# KiCad board Pro_V2.kicad_pcb (continued)
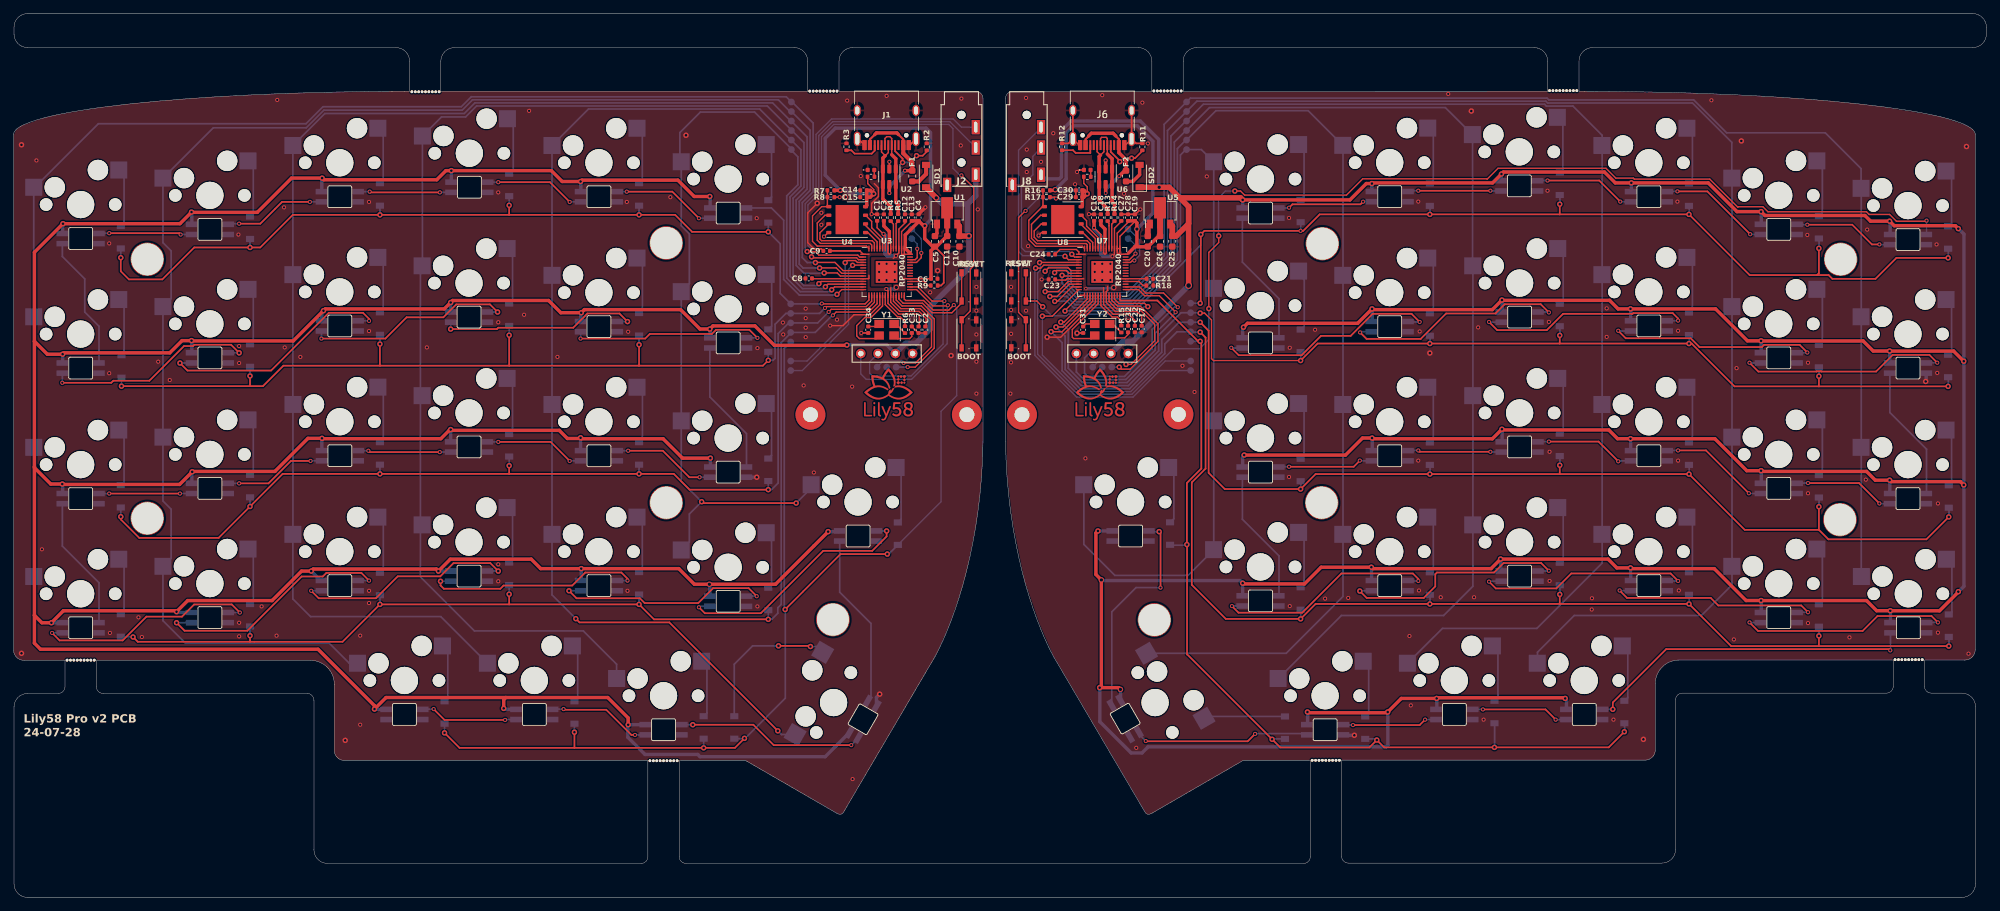
[diagram p0: board, top side]
## Routing (per net, layer and track width the routed paths; a pad name or vN(x,y) marks a point on that pad's centre or on a via; arc(x,y) is an arc through that point) (continued)
D-: length 13.7
  Top w0.2: 129.11,109.25 J1.B7 129.11,111.63 128.84,111.9 128.38,111.9 128.11,111.63 J1.A7
  Top w0.5: 129.11,109.25 129.71,108.65 U2.1 U2.6 129.71,102.25 130.06,101.9 R5.2
D-_R: length 13.7
  Top w0.2: 160.81,109.35 J6.B7 160.81,111.63 160.64,111.8 159.98,111.8 159.81,111.63 J6.A7
  Top w0.5: 160.81,109.35 161.51,108.65 U6.1 U6.6 161.51,102.35 161.86,102 R14.2
IO27: length 6.7
  Top w0.2: v1(133.46,94.79) 133.46,94.1 132.76,93.4 U3.39
  Bottom w0.2: v1(133.46,94.79) 133.46,96.9 TP33.1
IO27_R: length 7
  Top w0.2: U7.39 164.23,93.4 164.5,93.68 v1(164.78,93.68)
  Bottom w0.2: v1(164.78,93.68) 165.56,94.45 165.56,96.7 163.96,98.3
IO28: length 4.3
  Top w0.2: U3.40 132.56,93.8 132.86,94.1 v1(132.86,95.4)
  Bottom w0.2: TP34.1 132.86,96.1 v1(132.86,95.4)
IO28_R: length 4.4
  Top w0.2: U7.40 164.06,93.8 v1(164.96,94.7)
  Bottom w0.2: v1(164.96,94.7) 164.96,95.9 163.96,96.9
LED: length 27.9
  Top w0.2: v2(121.06,88.7) 121.76,89.4 U3.14
  Bottom w0.25: v2(121.06,88.7) 120.96,88.6 115.52,88.6 113.22,90.9 113.22,99.61 111.42,101.41 LED6.4
LED_R: length 175.8
  Top w0.2: v2(151.26,85.5) 152.72,85.5 U7.14 ; v2(175.73,86.6) 175.73,94.87 177.18,96.32 v2(177.18,97.3) ; v1(281.26,99.55) 281.17,99.46 276.83,99.46 275.83,100.46 272.82,100.46 272.43,100.85 257.94,100.85 257.2,101.59 253.55,101.59 253.5,101.54 249.39,105.65 238.3,105.65 238.15,105.8 235.58,105.8 234.13,107.25 218.26,107.25 216.66,105.65 216.61,105.7 198.36,105.7 195.96,103.3 181,103.3 180.4,103.9 v2(179.56,103.9)
  Bottom w0.2: v2(151.26,85.5) 151.26,79.76 156.62,74.4 164.26,74.4 170.56,80.7 174.35,80.7 175.73,82.08 v2(175.73,86.6) ; v1(281.26,99.55) 281.26,97.55 LED35.4 ; v2(177.18,97.3) 177.16,97.32 177.16,102.9 178.16,103.9 v2(179.56,103.9)
QSPI_SCLK: length 4.5
  Top w0.2: U4.6 125.26,98.84 127.36,96.74 U3.52
QSPI_SCLK_R: length 4.5
  Top w0.2: U7.52 159.06,96.89 156.96,98.99 U8.6
QSPI_SD0: length 3.3
  Top w0.2: U3.53 126.96,96.43 125.6,97.8 U4.5
QSPI_SD0_R: length 3.2
  Top w0.2: U7.53 158.66,96.33 157.2,97.8 U8.5
QSPI_SD1: length 13.5
  Top w0.2: U3.55 126.16,95.97 125.93,96.2 118.63,96.2 118.16,96.67 118.16,99.2 119.3,100.34 U4.2
QSPI_SD1_R: length 13.7
  Top w0.2: U7.55 157.86,96 157.69,96.17 150.42,96.17 149.66,96.93 149.66,99 151,100.34 U8.2
QSPI_SD2: length 11.8
  Top w0.2: U3.54 126.56,96.27 126.23,96.6 118.79,96.6 118.56,96.83 118.56,97.76 U4.3
QSPI_SD2_R: length 12.2
  Top w0.2: U8.3 151.09,99.07 150.06,98.03 150.06,97.1 150.56,96.6 157.83,96.6 158.26,96.17 U7.54
QSPI_SD3: length 5.9
  Top w0.2: U3.51 127.76,96.9 126.16,98.5 126.16,99.44 U4.7
QSPI_SD3_R: length 5.9
  Top w0.2: U8.7 157.76,99.54 157.76,98.75 159.46,97.05 U7.51
QSPI_SS: length 17.9
  Top w0.2: R7.2 R8.2 119.65,101.82 U4.1 118.82,101.61 117.46,100.25 117.46,96.5 118.16,95.8 125.4,95.8 U3.56
QSPI_SS_R: length 17.2
  Top w0.2: R16.2 R17.2 151.35,101.82 U8.1 151.27,101.61 149.26,99.6 149.26,96.77 150.25,95.78 157.12,95.78 U7.56
Reset: length 15.6
  Top w0.2: 139.38,91.88 139.38,87.43 137.95,85.99 136.84,85.99 136.84,86 135.03,86 133.63,87.4 130.79,87.4 130.16,88.03 130.16,88.1 U3.26
Reset_R: length 29.6
  Top w0.2: 148.84,87.73 150.44,87.73 150.96,87.2 150.98,87.2 v2(151.3,86.88) ; 148.84,87.73 148.84,87.63 ; 148.84,87.73 148.84,91.88 ; v2(166.76,86.9) 166.28,87.38 162.49,87.38 161.86,88 U7.26
  Bottom w0.2: v2(166.76,86.9) 166.26,86.9 165.16,85.8 155.13,85.8 154.88,85.55 152.63,85.55 v2(151.3,86.88)
ROW0: length 136.5
  Top w0.2: U3.15 125.76,87.87 125.19,87.3 118.87,87.3 v1(118.82,87.35)
  Top w0.25: v2(72.86,101.8) 72.86,100.4 ; 72.86,100.4 v2(91.96,100.4) 97.26,100.4 99.76,97.9 v2(110.96,97.9) ; 72.86,100.4 v2(53.86,100.4) 41.06,100.4 36.26,95.6 v2(34.76,95.6) 26.56,95.6 21.86,90.9 16.96,90.9 15.76,92.1 v2(15.76,94.1)
  Bottom w0.25: D6.1 v2(110.96,97.9) 112.71,96.15 112.71,88.85 TP7.1 118.77,87.3 v1(118.82,87.35) ; D1.1 v2(15.76,94.1) ; D2.1 v2(34.76,95.6) ; D4.1 v2(72.86,101.8) ; D5.1 v2(91.96,100.4) ; v2(53.86,100.4) D3.1
ROW0_R: length 170.7
  Top w0.2: v2(154.59,86.25) 154.59,86.33 156.82,88.56 U7.15
  Top w0.25: 265.16,91.54 265.43,91.82 v2(265.43,95.47) ; 265.16,91.54 266.86,91.54 267.41,90.99 273.75,90.99 276.83,94.07 v2(284.43,94.07) ; 265.16,91.54 255.26,91.54 v2(246.33,100.47) 227.33,100.47 ; 227.33,100.47 v2(227.33,101.97) ; 227.33,100.47 v2(208.23,100.47) 192.03,100.47 189.61,98.05 v1(189.23,98.05) 175.09,98.05 v2(174.55,97.51) 174.55,87.49 v2(174.46,87.4)
  Bottom w0.25: 265.46,96.92 265.46,95.47 ; v2(154.59,86.25) 154.61,86.28 164.87,86.28 174.55,95.96 v2(174.55,97.51) ; 189.26,99.32 189.26,98.05 ; TP23.1 v2(174.46,87.4) ; 227.36,103.32 227.36,101.97 ; 208.26,100.47 208.26,101.72 ; 284.46,95.42 284.46,94.07 ; 246.36,100.47 246.36,101.72
ROW1: length 139.5
  Top w0.2: U3.16 126.16,87.7 125.36,86.9 119.36,86.9 119.29,86.83 v1(119.29,86.7)
  Top w0.25: v2(91.96,81.3) 91.96,78.23 91.95,78.21 ; 91.95,78.21 72.87,78.21 ; 91.95,78.21 110.17,78.21 v2(110.96,79) ; 53.87,78.21 53.86,78.23 v2(53.86,81.4) ; 53.87,78.21 39.67,78.21 36.66,75.2 34.76,75.2 ; 53.87,78.21 72.87,78.21 ; 72.87,78.21 72.86,78.23 v2(72.86,82.7) ; 34.76,75.2 v2(15.86,75.2) ; 34.76,75.2 v2(34.76,76.7)
  Bottom w0.25: D11.1 v2(91.96,81.3) ; D10.1 v2(72.86,82.7) ; D7.1 v2(15.86,75.2) ; D12.1 v2(110.96,79) 111.66,79 111.96,79.3 111.96,84.3 113.56,85.9 TP8.1 118.49,85.9 v1(119.29,86.7) ; D9.1 v2(53.86,81.4) ; D8.1 v2(34.76,76.7)
ROW1_R: length 169.2
  Top w0.2: U7.16 157.86,88.03 154.44,84.61 v2(153.97,84.61) ; v2(189.23,78.97) 176.41,78.97 176.13,79.25 176.13,84.93 175.11,85.95 v2(174.46,85.95)
  Top w0.25: v2(265.43,76.67) 265.43,75.17 ; 265.43,75.17 253.02,75.17 246.72,81.47 v2(246.33,81.47) 227.33,81.47 ; 265.43,75.17 v2(284.43,75.17) ; 227.33,81.47 v2(227.33,82.67) ; 227.33,81.47 v2(208.23,81.47) 191.73,81.47 v2(189.23,78.97)
  Bottom w0.25: 227.36,84.02 227.36,82.67 ; 284.46,76.52 284.46,75.17 ; v2(174.46,85.95) 174.41,86 TP24.1 171.66,86 168.36,82.7 168.36,80.37 163.71,75.73 157.17,75.73 155.06,77.84 155.06,83.52 v2(153.97,84.61) ; 265.46,77.97 265.46,76.67 ; 246.36,81.47 246.36,82.72 ; 208.26,81.47 208.26,82.62 ; 189.26,78.97 189.26,80.22
ROW2: length 151.7
  Top w0.2: v1(119.84,86.12) 120.22,86.5 125.53,86.5 125.76,86.73 126.56,87.53 U3.17
  Top w0.25: v2(15.76,56) 15.76,55.59 18.47,52.89 30.15,52.89 v2(34.76,57.5) 39.56,62.3 v2(53.86,62.3) 72.86,62.3 ; v2(110.96,59.97) 99.39,59.97 97.06,62.3 v2(91.96,62.3) 72.86,62.3 ; 72.86,62.3 v2(72.86,63.5)
  Bottom w0.25: D13.1 v2(15.76,56) ; v2(34.76,57.5) D14.1 ; v2(53.86,62.3) D15.1 ; D18.1 v2(110.96,59.97) 111.43,59.97 112.41,60.95 112.41,82.93 113.98,84.5 TP9.1 118.22,84.5 v1(119.84,86.12) ; v2(91.96,62.3) D17.1 ; D16.1 v2(72.86,63.5)
ROW2_R: length 191.3
  Top w0.2: v2(153.26,83.9) 153.27,83.9 154.3,83.9 158.26,87.86 U7.17
  Top w0.25: 227.33,62.27 v2(246.33,62.27) 254.53,54.07 265.43,54.07 ; 227.33,62.27 v2(208.23,62.27) 191.43,62.27 v2(189.23,60.07) 178.08,60.07 175.71,62.44 175.71,83.35 v2(174.46,84.6) ; 227.33,62.27 v2(227.33,63.57) ; 265.43,54.07 266.83,52.67 281.23,52.67 v2(284.53,55.97) ; 265.43,54.07 v2(265.43,57.47)
  Bottom w0.25: 208.26,62.27 208.26,63.62 ; 189.26,61.22 189.26,60.07 ; v2(174.46,84.6) TP25.1 171.36,84.6 168.81,82.05 168.81,80.19 163.9,75.28 156.99,75.28 154.61,77.65 154.61,82.56 v2(153.26,83.9) ; 284.56,55.97 284.56,57.32 ; 246.36,63.62 246.36,62.27 ; 227.36,64.92 227.36,63.57 ; 265.46,58.82 265.46,57.47
ROW3: length 167.5
  Top w0.2: v1(120.46,85.61) 120.95,86.1 125.73,86.1 126.96,87.33 U3.18
  Top w0.25: 34.76,37.6 18.26,37.6 v2(17.56,38.3) ; 34.76,37.6 48.36,37.6 v2(53.86,43.1) 72.86,43.1 ; 34.76,37.6 v2(34.76,38.5) ; 72.86,43.1 v2(91.96,43.1) 94.16,40.9 v2(110.96,40.9) ; 72.86,43.1 v2(72.86,44.6)
  Bottom w0.25: D24.1 v2(110.96,40.9) 111.46,40.9 112.36,41.8 112.36,42.6 112.86,43.1 112.86,81.6 114.26,83 TP10.1 117.86,83.1 120.37,85.61 v1(120.46,85.61) ; D22.1 v2(72.86,44.6) ; D19.1 17.51,38.35 v2(17.56,38.3) ; v2(53.86,43.1) D21.1 ; D20.1 v2(34.76,38.5) ; v2(91.96,43.1) D23.1
ROW3_R: length 207.2
  Top w0.2: v2(152.54,83.21) 152.55,83.2 154.16,83.2 158.66,87.7 U7.18
  Top w0.25: 265.43,36.97 252.53,36.97 v2(246.33,43.17) 227.33,43.17 ; 265.43,36.97 v2(265.43,38.47) ; 265.43,36.97 v2(284.53,36.97) ; 227.33,43.17 v2(208.23,43.17) 191.43,43.17 v2(189.23,40.97) 178.23,40.97 173.23,45.97 173.23,61.05 175.26,63.07 175.26,82.35 v2(174.46,83.15) ; 227.33,43.17 v2(227.33,44.57)
  Bottom w0.25: 189.26,42.32 189.26,40.97 ; v2(152.54,83.21) 154.16,81.59 154.16,77.46 156.8,74.83 164.09,74.83 169.26,80 169.26,81.4 171.06,83.2 TP26.1 173.11,83.15 v2(174.46,83.15) ; 265.46,39.82 265.46,38.47 ; 227.36,45.92 227.36,44.57 ; 208.26,43.17 208.26,44.52 ; 246.36,43.17 246.36,44.52 ; 284.56,38.32 284.56,36.97
ROW4: length 183.2
  Top w0.2: v1(138.24,87.12) 137.51,86.39 137.01,86.39 137.01,86.4 135.19,86.4 133.79,87.8 131.16,87.8 130.96,88 U3.28
  Top w0.25: v2(63.36,24.2) 65.56,22 82.46,22 ; 82.46,22 v2(101.46,22) 106.06,22 v2(107.46,23.4) ; 82.46,22 v2(82.46,24.3) ; v2(128.46,50.5) 121.58,50.5 v2(113.44,42.35)
  Bottom w0.2: 129.81,51.85 D29.1 136.36,58.2 136.36,71.5 138.66,73.8 138.66,86.7 v1(138.24,87.12)
  Bottom w0.25: D27.1 v2(101.46,22) ; D25.1 v2(63.36,24.2) ; v2(128.46,50.5) 128.66,50.5 D29.1 ; D26.1 v2(82.46,24.3) ; D28.1 107.41,23.35 v2(107.46,23.4) 107.56,23.4 113.46,29.3 113.46,42.33 v2(113.44,42.35) 113.31,42.48 113.31,80.75 TP11.1
ROW4_R: length 146.2
  Top w0.2: 162.66,87.9 U7.28
  Top w0.25: 162.66,87.9 162.76,87.8 168.16,87.8 174.16,81.8 v2(174.46,81.8) 174.63,81.63 174.63,63.08 172.51,60.96 ; 172.53,35.72 172.53,51.88 v2(172.51,51.9) 172.51,60.91 ; 172.53,35.77 v2(185.04,23.26) 186.23,22.07 199.35,22.07 v2(200.43,23.15) 201.51,22.07 v2(217.73,22.07) 234.53,22.07 v2(236.83,24.37)
  Bottom w0.25: 200.46,23.15 200.29,23.32 198.76,23.32 ; TP27.1 v2(174.46,81.8) ; 186.96,23.32 185.13,23.32 185.07,23.26 ; 217.76,22.07 217.76,25.62 ; 236.86,25.62 236.86,24.37 ; 170.06,51.87 170.13,51.8 172.44,51.8 172.54,51.9
RX: length 52
  Top w0.2: U3.3 124.22,93.8 123.95,94.08 117.47,94.08 v2(117.32,94.23)
  Bottom w0.2: J2.R1 137.66,114.1 120.43,114.1 118.38,112.06 118.38,103.46 116.78,101.86 116.78,95.89 117.38,95.29 117.38,94.29 v2(117.32,94.23)
RX_R: length 29.1
  Top w0.2: v2(154.58,94.3) 155.09,93.8 U7.3
  Bottom w0.2: v2(154.58,94.3) 154.49,94.4 148.37,94.4 147.76,95.01 147.76,109.9 151.16,113.3
SCL: length 28.6
  Top w0.2: U3.30 132.96,89.8 135.05,87.71 v1(136.85,87.71)
  Bottom w0.2: J3.2 125.86,78.76 125.86,77.1 126.26,76.7 131.96,76.7 136.66,81.4 136.66,87.53 v1(136.85,87.71)
SCL_2: length 21.8
  Top w0.2: U3.5 123.38,93 v2(123.36,92.98)
  Bottom w0.2: TP12.1 115.96,77.5 122.76,84.3 122.76,92.38 v2(123.36,92.98)
SCL_2_R: length 46.5
  Top w0.2: U7.5 151.46,93 151.03,92.57 v2(150.26,92.57)
  Bottom w0.2: TP28.1 168.49,77.5 164.59,73.6 156.29,73.6 150.16,79.73 150.16,92.46 v2(150.26,92.57)
SCL_R: length 32.6
  Top w0.2: U7.30 165.56,89.8 166.46,88.9 169.07,88.9 v1(171.16,86.81)
  Bottom w0.25: v1(171.16,86.81) 170.67,86.81 167.39,83.53 167.39,80.68 163.34,76.63 157.94,76.63 157.46,77.1 157.46,79.36 158.1,80 J7.2
SDA: length 30.5
  Top w0.2: v1(137.36,87.1) 137.26,87 135.16,87 132.76,89.4 U3.29
  Bottom w0.2: v1(137.36,87.1) 137.26,87 137.26,81.43 132.03,76.2 125.36,76.2 124.56,77 J3.1
SDA_2: length 22.1
  Top w0.2: v2(122.26,93.38) 122.56,93.68 123.78,93.68 124.06,93.4 U3.4
  Bottom w0.2: v2(122.26,93.38) 122.26,84.5 116.66,78.9 TP13.1
SDA_2_R: length 46.5
  Top w0.2: U7.4 150.87,93.4 v2(150.85,93.38)
  Bottom w0.2: TP29.1 169.33,78.9 164.43,74 156.46,74 150.56,79.9 150.56,91.87 150.96,92.28 150.96,93.26 v2(150.85,93.38)
SDA_R: length 32.1
  Top w0.2: v1(170.85,86.07) 170.85,86.11 168.46,88.5 166.29,88.5 165.39,89.4 U7.29
  Bottom w0.25: v1(170.85,86.07) 170.85,85.99 167.84,82.98 167.84,80.49 163.53,76.18 157.36,76.18 156.26,77.27 J7.1
SPLIT_HAND_PIN_L: length 3.3
  Top w0.2: U3.32 133.86,90.6 134.46,90 R9.2
SPLIT_HAND_PIN_R: length 3.3
  Top w0.2: R18.2 166.06,90 165.46,90.6 U7.32
SWCLK: length 21
  Top w0.2: U3.24 129.36,87.7 130.46,86.6 133.3,86.6 134.96,84.94 134.96,80.97 132.62,78.62 v1(130.86,78.62)
  Bottom w0.2: v1(130.86,78.62) 130.58,78.9 127.86,78.9 TP16.1
SWCLK_R: length 22.5
  Top w0.2: U7.24 161.06,87.67 162.15,86.58 165.49,86.58 167.76,84.3 167.76,81.87 164.29,78.4 v2(163.56,78.4)
  Bottom w0.2: TP32.1 159.46,78.8 163.16,78.8 v2(163.56,78.4)
SWD: length 18.5
  Top w0.2: U3.25 129.76,87.87 130.63,87 133.46,87 135.36,85.1 135.36,80.8 132.56,78 v1(131.46,78)
  Bottom w0.25: v1(131.46,78) TP14.1
SWD_R: length 20.2
  Top w0.2: v2(162.56,78) 162.86,77.7 164.16,77.7 168.26,81.8 168.26,84.37 165.65,86.98 162.32,86.98 161.46,87.83 U7.25
  Bottom w0.2: v2(162.56,78) TP30.1
TX: length 51.5
  Top w0.2: U3.2 124.39,94.2 124.12,94.48 118.38,94.48 117.86,95 v2(116.69,95)
  Bottom w0.2: v2(116.69,95) 116.38,95.3 116.38,102.02 117.99,103.63 117.99,112.23 120.26,114.5 138.16,114.5 139.36,113.3 J2.R2
TX_R: length 25
  Top w0.2: U7.2 155.99,94.2 v2(155.59,94.6)
  Bottom w0.2: 151.16,110.3 149.86,109 149.86,106.3 148.18,104.62 148.18,95.58 148.76,95 155.19,95 v2(155.59,94.6)
USB_BOOT: length 66.8
  Top w0.2: v1(139.36,106.2) 141.16,104.4 141.16,92.93 140.66,92.43 140.66,86.25 139.38,84.98 139.38,80.83 ; R8.1 v1(121.46,103)
  Bottom w0.2: v1(139.36,106.2) 139.16,106.2 138.11,107.25 138.11,113.09 137.49,113.7 120.59,113.7 118.78,111.89 118.78,103.48 119.26,103 v1(121.46,103)
USB_BOOT_R: length 27.1
  Top w0.2: 148.84,80.83 148.84,84.83 ; v1(148.78,100.98) 148.74,100.98 147.76,100 147.76,86.05 148.84,84.98 ; R17.1 153.06,103 v1(153.26,102.8)
  Bottom w0.2: v1(153.26,102.8) 150.61,102.8 v1(148.78,100.98)
VDC: length 17.6
  Top w0.2: 163.35,106.89 F2.1
  Top w0.3: 162.06,112 162.06,111.97 162.51,111.52 J6.A4 ; J6.A9 157.61,111.52 158.06,111.97 158.06,112
  Top w0.5: F2.1 163.56,108.5 162.51,109.55 J6.A4 ; 162.06,112 161.66,112.4 158.46,112.4 158.06,112 ; v1(162.56,106.1) 163.35,106.89 ; v3(160.56,103.6) 160.56,104.91
  Bottom w0.5: v3(160.56,103.6) 160.56,104.1 v1(162.56,106.1)
Net-(C31-Pad2): length 1.9
  Top w0.2: Y2.2 157.63,84.35 C31.2
Net-(C32-Pad2): length 4.3
  Top w0.2: 161.49,82.98 Y2.4 161.51,82.3 163.36,82.3 163.86,82.8 C32.2 ; 160.76,82.95 161.21,82.95
Net-(C33-Pad2): length 3.4
  Top w0.2: C33.2 132.06,82.5 131.76,82.2 129.91,82.2 Y1.4
Net-(C34-Pad2): length 1.8
  Top w0.2: C34.2 126.89,83.98 Y1.2
Net-(D1-A): length 8.6
  Bottom w0.25: 15.46,106.84 16.24,106.06 16.24,99.23 D1.2
Net-(D2-A): length 8.7
  Bottom w0.25: D2.2 35.24,100.63 35.24,107.56 SW2.2
Net-(D3-A): length 8.6
  Bottom w0.25: SW3.2 54.34,112.36 54.34,105.53 D3.2
Net-(D4-A): length 8.7
  Bottom w0.25: D4.2 73.46,107.05 73.46,113.69 SW4.2
Net-(D5-A): length 9.7
  Bottom w0.25: D5.2 92.44,105.53 92.44,112.36 SW5.2 92.46,112.34
Net-(D6-A): length 9.8
  Bottom w0.25: 111.46,109.94 SW6.2 111.44,109.96 111.44,103.03 D6.2
Net-(D7-A): length 8.7
  Bottom w0.25: D7.2 16.24,80.13 16.24,87.16 SW7.2
Net-(D8-A): length 8.6
  Bottom w0.25: D8.2 35.24,81.83 35.24,88.66 SW8.2
Net-(D9-A): length 7.5
  Bottom w0.25: 54.34,93.36 54.34,86.53 D9.2
Net-(D10-A): length 7.5
  Bottom w0.25: 73.36,94.64 73.36,87.85 D10.2
Net-(D11-A): length 8.6
  Bottom w0.25: D11.2 92.46,86.45 92.46,93.24 SW11.2
Net-(D12-A): length 8.6
  Bottom w0.25: D12.2 111.46,84.05 111.46,90.84 SW12.2
Net-(D13-A): length 8.6
  Bottom w0.25: SW13.2 16.24,67.96 16.24,61.13 D13.2
Net-(D14-A): length 8.6
  Bottom w0.25: SW14.2 35.24,69.46 35.24,62.63 D14.2
Net-(D15-A): length 8.6
  Bottom w0.25: SW15.2 54.36,74.26 54.36,67.45 D15.2
Net-(D16-A): length 8.7
  Bottom w0.25: D16.2 73.36,68.65 73.36,75.54 SW16.2
Net-(D17-A): length 8.6
  Bottom w0.25: SW17.2 92.46,74.24 92.46,67.45 D17.2
Net-(D18-A): length 8.6
  Bottom w0.25: SW18.2 111.44,71.86 111.44,65.03 D18.2
Net-(D19-A): length 8.6
  Bottom w0.25: SW19.2 16.24,48.96 16.24,42.13 D19.2
Net-(D20-A): length 8.6
  Bottom w0.25: SW20.2 35.24,50.46 35.24,43.63 D20.2
Net-(D21-A): length 8
  Bottom w0.25: 54.36,48.25 54.36,55.14 SW21.2
Net-(D22-A): length 8.6
  Bottom w0.25: D22.2 73.36,49.75 73.36,56.54 SW22.2
Net-(D23-A): length 9.7
  Bottom w0.25: D23.2 92.44,48.33 92.44,55.16 SW23.2 92.46,55.14
Net-(D24-A): length 8.6
  Bottom w0.25: SW24.2 111.44,52.86 111.44,46.03 D24.2
Net-(D25-A): length 8.7
  Bottom w0.25: D25.2 63.84,29.33 63.84,36.21 SW25.2
Net-(D26-A): length 8.7
  Bottom w0.25: D26.2 82.94,29.33 82.94,36.21 SW26.2
Net-(D27-A): length 8.6
  Bottom w0.25: D27.2 101.94,27.13 101.94,33.96 SW27.2
Net-(D28-A): length 22.2
  Top w0.25: v2(117.16,36.9) 117.06,37 v2(112.46,37)
  Bottom w0.25: D28.2 105.96,34.3 108.66,37 v2(112.46,37) ; SW28.2 118.11,36.9 v2(117.16,36.9)
Net-(D29-A): length 8.6
  Bottom w0.25: SW29.2 130.49,62.51 130.49,55.63 D29.2
Net-(D30-A): length 8.6
  Bottom w0.25: 189.26,102.62 189.74,103.1 189.74,109.96 188.96,110.74
Net-(D31-A): length 8.7
  Bottom w0.25: 207.96,113.16 208.74,112.38 208.74,105.5 208.26,105.02
Net-(D32-A): length 8.6
  Bottom w0.25: 227.01,114.74 227.79,113.96 227.79,107.05 227.36,106.62
Net-(D33-A): length 8.6
  Bottom w0.25: 246.36,105.02 246.84,105.5 246.84,112.36 246.06,113.14
Net-(D34-A): length 8.6
  Bottom w0.25: 265.46,100.22 265.94,100.7 265.94,107.56 265.16,108.34
Net-(D35-A): length 8.6
  Bottom w0.25: 284.46,98.72 284.94,99.2 284.94,106.06 284.16,106.84
Net-(D36-A): length 8.7
  Bottom w0.25: 189.26,83.52 189.76,84.02 189.76,90.84 188.96,91.64
Net-(D37-A): length 8.6
  Bottom w0.25: 208.26,85.92 208.74,86.4 208.74,93.26 207.96,94.04
Net-(D38-A): length 8.6
  Bottom w0.25: 227.06,95.44 227.84,94.66 227.84,87.8 227.36,87.32
Net-(D39-A): length 8.6
  Bottom w0.25: 246.36,86.02 246.84,86.5 246.84,93.36 246.06,94.14
Net-(D40-A): length 8.7
  Bottom w0.25: 265.16,89.44 265.94,88.66 265.94,81.75 265.46,81.27
Net-(D41-A): length 8.6
  Bottom w0.25: 284.46,79.82 284.94,80.3 284.94,87.16 284.16,87.94
Net-(D42-A): length 8.6
  Bottom w0.25: 189.26,64.52 189.74,65 189.74,71.86 188.96,72.64
Net-(D43-A): length 8.6
  Bottom w0.25: 207.96,75.04 208.74,74.26 208.74,67.4 208.26,66.92
Net-(D44-A): length 8.6
  Bottom w0.25: 227.36,68.22 227.84,68.7 227.84,75.56 227.06,76.34
Net-(D45-A): length 8.6
  Bottom w0.25: 246.36,66.92 246.84,67.4 246.84,74.26 246.06,75.04
Net-(D46-A): length 8.6
  Bottom w0.25: 265.46,62.12 265.94,62.6 265.94,69.46 265.16,70.24
Net-(D47-A): length 8.6
  Bottom w0.25: 284.16,68.74 284.94,67.96 284.94,61 284.56,60.62
Net-(D48-A): length 8.6
  Bottom w0.25: 188.96,53.69 189.74,52.91 189.74,46.1 189.26,45.62
Net-(D49-A): length 8.6
  Bottom w0.25: 208.26,47.82 208.74,48.3 208.74,55.16 207.96,55.94
Net-(D50-A): length 8.6
  Bottom w0.25: 227.36,49.22 227.84,49.7 227.84,56.56 227.06,57.34
Net-(D51-A): length 8.6
  Bottom w0.25: 246.36,47.82 246.84,48.3 246.84,55.16 246.06,55.94
Net-(D52-A): length 8.6
  Bottom w0.25: 265.16,51.24 265.94,50.46 265.94,43.6 265.46,43.12
Net-(D53-A): length 8.6
  Bottom w0.25: 284.56,41.62 284.99,42.05 284.99,48.96 284.21,49.74
Net-(D54-A): length 8.5
  Bottom w0.25: 170.06,55.17 170.59,55.7 170.59,62.46 169.86,63.19
Net-(D55-A): length 12
  Bottom w0.25: 175.06,26.35 175.33,26.62 186.96,26.62
Net-(D56-A): length 8.6
  Bottom w0.25: 198.76,26.62 199.24,27.1 199.24,33.96 198.46,34.74
Net-(D57-A): length 8.6
  Bottom w0.25: 217.46,36.99 218.24,36.21 218.24,29.4 217.76,28.92
Net-(D58-A): length 8.6
  Bottom w0.25: 236.86,28.92 237.34,29.4 237.34,36.21 236.56,36.99
Net-(J1-CC1): length 7.4
  Top w0.25: J1.A5 129.61,109.77 130.71,108.67 v2(130.71,108.1) ; v2(132.76,109.1) 133.66,109.1 134.26,109.7 R2.1
  Bottom w0.25: v2(130.71,108.1) 131.76,108.1 v2(132.76,109.1)
Net-(J1-CC2): length 5.3
  Top w0.25: J1.B5 126.61,109.85 126.16,109.4 123.66,109.4 123.17,109.89 R3.1
Net-(J6-CC1): length 7
  Top w0.25: J6.A5 161.31,109.66 162.63,108.34 v2(162.63,108.22) ; v2(164.38,108.73) 164.89,108.73 165.96,109.8 R11.1
  Bottom w0.25: v2(164.38,108.73) 163.14,108.73 v2(162.63,108.22)
Net-(J6-CC2): length 5.5
  Top w0.25: J6.B5 158.31,109.5 156.16,109.5 155.76,109.9 154.17,109.9 R12.1
Net-(LED1-DIN): length 13.7
  Top w0.25: v1(24.56,97.5) 24.36,97.7 v1(14.06,97.7)
  Bottom w0.25: v1(24.56,97.5) 24.57,97.51 LED2.2 ; v1(14.06,97.7) 12.59,97.7 12.56,97.66
Net-(LED1-DOUT): length 19.8
  Bottom w0.25: 12.56,78.61 12.56,84.01 10.46,86.1 10.46,90.98 7.17,94.27 LED1.2
Net-(LED2-DIN): length 15.1
  Top w0.25: v1(43.56,102.3) 39.47,102.3 36.27,99.1 v1(33.16,99.1)
  Bottom w0.25: v1(43.56,102.3) 43.57,102.31 LED3.2 ; v1(33.16,99.1) 31.64,99.1 31.56,99.01
Net-(LED3-DIN): length 13.8
  Top w0.25: v1(52.35,103.81) 52.46,103.7 v1(62.66,103.7)
  Bottom w0.25: 50.61,103.81 v1(52.35,103.81) ; v1(62.66,103.7) 62.67,103.71 LED4.2
Net-(LED4-DIN): length 14.9
  Top w0.25: v1(81.76,102.3) 78.86,105.2 v1(71.26,105.2)
  Bottom w0.25: LED5.2 81.77,102.31 v1(81.76,102.3) ; LED4.4 69.72,105.2 v1(71.26,105.2)
Net-(LED5-DIN): length 15.2
  Top w0.25: v1(100.76,99.9) 96.85,103.81 v1(90.15,103.81)
  Bottom w0.25: LED6.2 100.77,99.91 v1(100.76,99.9) ; v1(90.15,103.81) LED5.4
Net-(LED7-DOUT): length 31.9
  Top w0.25: v1(7.16,75.7) 14.36,75.7 14.66,76 19.96,76 25.06,81.1 26.39,81.1 26.57,81.29 31.97,81.29 v2(33.16,80.1)
  Bottom w0.25: 31.51,80.11 33.15,80.11 v2(33.16,80.1) ; v1(7.16,75.7) 7.17,75.71 LED7.2
Net-(LED8-DOUT): length 35.8
  Top w0.25: v1(52.26,84.8) 52.26,85.1 51.38,85.98 46.34,85.98 37.86,77.5 25.56,77.5 v2(24.46,78.6)
  Bottom w0.25: 26.21,78.61 24.47,78.61 v2(24.46,78.6) ; v1(52.26,84.8) 52.25,84.81 LED9.4
Net-(LED10-DIN): length 31.1
  Top w0.25: v1(45.26,82.2) 54.66,82.2 57.78,85.33 63.19,85.33 65.09,87.23 70.03,87.23 v2(71.16,86.1)
  Bottom w0.25: v1(45.26,82.2) 45.27,82.21 LED9.2 ; v2(71.16,86.1) 69.62,86.1
Net-(LED10-DOUT): length 30
  Top w0.25: v2(64.26,83.6) 71.06,83.6 71.26,83.8 82.29,83.8 84.37,85.88 89.08,85.88 v2(90.26,84.7)
  Bottom w0.25: v2(90.26,84.7) 88.77,84.7 ; v2(64.26,83.6) 64.26,84.56 64.31,84.61
Net-(LED11-DOUT): length 29.6
  Top w0.25: v1(83.36,82.2) 92.86,82.2 93.53,82.88 102.66,82.88 103.27,83.48 108.18,83.48 v1(109.36,82.3)
  Bottom w0.25: LED11.2 83.37,82.21 v1(83.36,82.2) ; v1(109.36,82.3) 109.35,82.31 LED12.4
Net-(LED12-DOUT): length 19.7
  Bottom w0.25: LED18.4 107.75,68.22 102.37,73.61 LED12.2
Net-(LED13-DIN): length 13.6
  Top w0.25: v1(24.46,59.4) v1(14.06,59.4)
  Bottom w0.25: v1(24.46,59.4) 24.47,59.41 LED14.2 ; v1(14.06,59.4) 12.56,59.4 12.56,59.41
Net-(LED13-DOUT): length 19.7
  Bottom w0.25: LED13.2 7.17,51.67 12.56,46.28 12.56,40.41
Net-(LED14-DIN): length 15.1
  Top w0.25: v1(33.16,60.9) 37.47,60.9 40.77,64.2 v1(43.66,64.2)
  Bottom w0.25: 31.56,60.91 31.56,60.9 v1(33.16,60.9) ; LED15.2 43.68,64.22 v1(43.66,64.2)
Net-(LED15-DIN): length 13.7
  Top w0.25: v1(52.16,65.7) 52.36,65.5 v1(62.66,65.5)
  Bottom w0.25: v1(62.66,65.5) 62.67,65.51 LED16.2 ; v1(52.16,65.7) 50.69,65.7 LED15.4
Net-(LED16-DIN): length 14.9
  Top w0.25: v1(81.76,64.2) 78.96,67 v1(71.26,67)
  Bottom w0.25: LED17.2 81.77,64.21 v1(81.76,64.2) ; LED16.4 69.66,67 v1(71.26,67)
Net-(LED17-DIN): length 15.2
  Top w0.25: v1(100.86,61.8) 99.36,61.8 95.46,65.7 v1(90.36,65.7)
  Bottom w0.25: LED18.2 100.87,61.81 v1(100.86,61.8) ; LED17.4 88.77,65.7 v1(90.36,65.7)
Net-(LED19-DOUT): length 34
  Top w0.25: v1(5.66,38.9) 6.76,37.8 16.03,37.8 19.53,41.3 24.76,41.3 26.55,43.09 32.07,43.09 v1(33.26,41.9)
  Bottom w0.25: 31.56,41.91 31.56,41.9 v1(33.26,41.9) ; v1(5.66,38.9) 5.67,38.91 LED19.2
Net-(LED20-DOUT): length 36.6
  Top w0.25: v2(23.96,40.4) 25.14,39.23 34.37,39.23 42.35,47.2 45.46,47.2 45.98,47.73 51.14,47.73 v1(52.26,46.6)
  Bottom w0.25: v1(52.26,46.6) 52.25,46.61 LED21.4 ; 26.21,40.41 23.97,40.41 v2(23.96,40.4)
Net-(LED21-DOUT): length 33.8
  Top w0.25: v2(71.26,48) 70.09,49.18 64.69,49.18 62.74,47.23 56.48,47.23 53.26,44 44.86,44 v1(43.76,45.1)
  Bottom w0.25: v1(43.76,45.1) 43.77,45.11 LED21.2 ; v2(71.26,48) 71.25,48.01 69.61,48.01
Net-(LED22-DOUT): length 33
  Top w0.25: v1(90.26,46.6) 90.26,46.88 89.36,47.78 84.04,47.78 82.13,45.88 72.03,45.88 71.56,45.4 63.26,45.4 62.77,45.89 v2(62.77,46.5)
  Bottom w0.25: v1(90.26,46.6) 88.77,46.6 LED23.4 ; 64.3,46.5 62.77,46.5 v2(62.77,46.5)
Net-(LED23-DOUT): length 33
  Top w0.25: v2(81.66,45.1) 82.76,44 92.09,44 92.79,43.3 100.66,43.3 102.84,45.48 108.08,45.48 v1(109.26,44.3)
  Bottom w0.25: LED24.4 109.25,44.31 v1(109.26,44.3) ; 83.41,45.11 81.67,45.11
Net-(LED24-DOUT): length 36.6
  Top w0.25: v2(128.36,53.9) 128.36,53.1 126.24,50.98 119.03,50.98 109.86,41.8 101.64,41.8 v1(100.76,42.68)
  Bottom w0.25: LED24.2 100.89,42.81 v1(100.76,42.68) ; LED29.4 126.87,53.9 v2(128.36,53.9)
Net-(LED25-DIN): length 14.4
  Top w0.25: v1(61.76,27.7) 63.36,26.1 v1(72.26,26.1)
  Bottom w0.25: v1(72.26,26.1) 72.32,26.16 LED26.2 ; v1(61.76,27.7) 60.2,27.7 LED25.4
Net-(LED26-DIN): length 15.2
  Top w0.25: v1(80.86,27.7) 80.96,27.6 87.13,27.6 90.83,23.9 v1(91.36,23.9)
  Bottom w0.25: LED26.4 79.3,27.7 v1(80.86,27.7) ; v1(91.36,23.9) 91.37,23.91 LED27.2
Net-(LED27-DIN): length 27.7
  Top w0.25: v1(123.16,22.4) 111.76,22.4 108.76,25.4 v2(99.86,25.4)
  Bottom w0.25: LED28.2 124.2,23.44 v1(123.16,22.4) ; v2(99.86,25.4) 98.22,25.4
Net-(LED28-DIN): length 25.6
  Bottom w0.25: LED29.2 121.46,52.4 121.46,44.9 126.06,40.3 126.06,29.38 LED28.4
Net-(LED30-DIN): length 14
  Top w0.25: v1(198.41,102.33) 198.03,101.95 188.03,101.95 v1(187.53,101.45)
  Bottom w0.25: 186.05,101.41 187.52,101.41 187.56,101.45 ; 198.44,102.33 199.67,102.33
Net-(LED30-DOUT): length 19.8
  Bottom w0.25: 186.05,82.31 186.05,88.05 180.67,93.44 180.67,99.91
Net-(LED31-DIN): length 13.7
  Top w0.25: v1(217.13,103.95) v1(206.53,103.95)
  Bottom w0.25: 218.72,103.91 217.2,103.91 217.16,103.95 ; 206.56,103.95 205.17,103.95 205.05,103.83
Net-(LED32-DIN): length 15
  Top w0.25: v1(225.53,105.45) 233.13,105.45 v1(236.23,102.35)
  Bottom w0.25: 225.56,105.45 224.14,105.45 224.1,105.41 ; 237.77,102.31 236.3,102.31 236.26,102.35
Net-(LED33-DIN): length 16.4
  Top w0.25: v1(255.33,97.55) 249.03,103.85 v1(244.63,103.85)
  Bottom w0.25: 255.36,97.55 255.4,97.51 256.87,97.51 ; 244.66,103.85 243.19,103.85 243.15,103.81
Net-(LED34-DIN): length 14.9
  Top w0.25: v1(263.73,98.95) 270.33,98.95 273.23,96.05 v1(274.33,96.05)
  Bottom w0.25: 275.87,96.01 274.4,96.01 274.36,96.05 ; 263.76,98.95 262.32,98.95 262.25,99.01
Net-(LED36-DOUT): length 34.5
  Top w0.25: v1(206.73,84.65) 205.54,85.84 199.83,85.84 196.59,82.6 192.23,82.6 189.37,79.75 180.13,79.75 v1(179.03,80.85)
  Bottom w0.25: 205.05,84.71 205.12,84.65 206.76,84.65 ; 180.67,80.81 179.1,80.81 179.06,80.85
Net-(LED37-DOUT): length 34.1
  Top w0.25: v1(197.97,83.1) 198.93,82.15 206.88,82.15 210.62,85.89 217.87,85.89 219.24,87.25 224.53,87.25 v1(225.73,86.05)
  Bottom w0.25: 225.76,86.05 225.7,86.11 224.15,86.11 ; 199.67,83.21 198.11,83.21 198,83.1
Net-(LED38-DOUT): length 33.4
  Top w0.25: v1(216.93,84.65) 218.13,83.45 225.43,83.45 227.83,85.84 238.03,85.84 238.14,85.95 243.93,85.95 244.73,85.15 v1(244.73,84.85)
  Bottom w0.25: 244.76,84.85 244.72,84.81 243.15,84.81 ; 218.77,84.61 217,84.61 216.96,84.65
Net-(LED39-DOUT): length 32.7
  Top w0.25: v1(263.73,80.15) 262.61,81.27 257.36,81.27 257.04,80.95 247.88,80.95 246.58,82.25 237.03,82.25 v1(235.93,83.35)
  Bottom w0.25: 263.76,80.15 263.72,80.11 262.25,80.11 ; 237.77,83.31 236,83.31 235.96,83.35
Net-(LED40-DOUT): length 32.9
  Top w0.25: v1(255.23,78.65) 256.53,77.35 265.09,77.35 265.13,77.39 265.73,77.39 265.78,77.35 273.84,77.35 276.27,79.79 281.69,79.79 v1(282.83,78.65)
  Bottom w0.25: 282.86,78.65 281.29,78.65 281.25,78.61 ; 255.26,78.65 255.3,78.61 256.87,78.61
Net-(LED41-DOUT): length 19.9
  Bottom w0.25: 281.25,59.41 281.25,65.93 275.87,71.32 275.87,77.11
Net-(LED42-DIN): length 14
  Top w0.25: v1(197.93,64.25) 197.03,63.35 v1(187.53,63.35)
  Bottom w0.25: 197.96,64.25 198,64.21 199.67,64.21 ; 186.05,63.31 186.09,63.35 187.56,63.35
Net-(LED42-DOUT): length 19.7
  Bottom w0.25: 186.05,44.36 186.05,50.23 180.67,55.62 180.67,61.81
Net-(LED43-DIN): length 13.8
  Top w0.25: v1(206.53,65.75) 206.73,65.55 v1(217.13,65.55)
  Bottom w0.25: 205.05,65.71 205.09,65.75 206.56,65.75 ; 217.16,65.55 217.2,65.51 218.77,65.51
Net-(LED44-DIN): length 14.9
  Top w0.25: v1(225.73,67.05) 233.03,67.05 v1(235.93,64.15)
  Bottom w0.25: 225.76,67.05 224.19,67.05 224.15,67.01 ; 235.96,64.15 236.02,64.21 237.77,64.21
Net-(LED45-DIN): length 16.4
  Top w0.25: v1(244.73,65.75) 248.83,65.75 v1(255.13,59.45)
  Bottom w0.25: 255.16,59.45 255.2,59.41 256.87,59.41 ; 243.15,65.71 243.19,65.75 244.76,65.75
Net-(LED46-DIN): length 14.9
  Top w0.25: v1(263.83,60.95) 271.33,60.95 v1(274.33,57.95)
  Bottom w0.25: 275.87,57.91 274.4,57.91 274.36,57.95 ; 263.86,60.95 262.29,60.95 262.25,60.91
Net-(LED48-DOUT): length 33.9
  Top w0.25: v1(179.13,42.85) 180.1,41.88 189.47,41.88 195.23,47.65 205.73,47.65 206.53,46.85 v1(206.53,46.55)
  Bottom w0.25: 179.16,42.85 179.17,42.86 180.67,42.86 ; 205.05,46.61 205.12,46.55 206.56,46.55
Net-(LED49-DOUT): length 35.3
  Top w0.25: v2(197.93,45.07) 198.95,44.05 207.33,44.05 209.03,45.75 209.03,47.55 209.27,47.79 217.67,47.79 219.07,49.18 224.59,49.18 v1(225.73,48.05)
  Bottom w0.25: 199.71,45.11 198,45.11 197.96,45.07 ; 224.15,48.01 225.72,48.01 225.76,48.05
Net-(LED50-DOUT): length 33
  Top w0.25: v1(244.73,46.55) 243.63,47.65 229.03,47.65 226.83,45.45 217.93,45.45 v1(216.93,46.45)
  Bottom w0.25: 244.76,46.55 243.22,46.55 243.15,46.61 ; 218.77,46.51 217.02,46.51 216.96,46.45
Net-(LED51-DOUT): length 32.3
  Top w0.25: v1(263.83,41.95) 262.84,42.94 250.64,42.94 249.53,44.05 237.23,44.05 v1(236.13,45.15)
  Bottom w0.25: 237.77,45.11 236.2,45.11 236.16,45.15 ; 262.25,41.91 262.29,41.95 263.86,41.95
Net-(LED52-DOUT): length 32.8
  Top w0.25: v1(255.23,40.45) 256.49,39.19 271.85,39.19 274.05,41.39 281.99,41.39 v1(282.93,40.45)
  Bottom w0.25: 282.96,40.45 281.34,40.45 281.3,40.41 ; 256.87,40.41 255.3,40.41 255.26,40.45
Net-(LED53-DOUT): length 49.3
  Top w0.25: v2(235.13,27.67) 235.13,28.67 242.98,36.52 275.76,36.52 v1(275.93,36.34)
  Bottom w0.25: 235.16,27.67 233.62,27.67 ; 275.96,36.34 275.96,38.87 275.92,38.91
Net-(LED54-DIN): length 32.3
  Top w0.25: v2(168.43,53.8) 168.63,53.6 v1(168.63,45.57)
  Bottom w0.25: 168.46,53.8 167.02,53.8 166.95,53.86 ; 168.66,45.57 165.03,45.57 161.47,42.01 161.47,28.21
Net-(LED55-DIN): length 26
  Top w0.25: 166.52,22.96 181.44,22.96 v1(182.53,24.05) ; 166.55,22.91 v1(166.46,23)
  Bottom w0.25: 165.46,24.3 165.46,24 v1(166.46,23) ; 182.56,24.05 182.6,24.09 189.99,24.09 190.17,23.91
Net-(LED56-DIN): length 14
  Top w0.25: v1(207.53,26.15) 206.73,25.35 v1(196.93,25.35)
  Bottom w0.25: 209.17,26.16 207.57,26.16 207.56,26.15 ; 195.55,25.41 195.62,25.35 196.96,25.35
Net-(LED57-DIN): length 14.3
  Top w0.25: v1(216.03,27.65) 225.23,27.65 v1(226.73,26.15)
  Bottom w0.25: 216.06,27.65 216.05,27.66 214.55,27.66 ; 228.27,26.16 228.26,26.15 226.76,26.15
Net-(R6-Pad1): length 2.1
  Top w0.2: Y1.1 129.71,84.35 130.97,83.09 131.06,83.09
Net-(R15-Pad1): length 2.7
  Top w0.2: 161.52,83.99 Y2.1 161.6,84.35 R15.1
Net-(SD1-A): length 3.8
  Top w0.6: F1.2 133.07,105.31 134.16,106.4 SD1.2
Net-(SD2-A): length 3.9
  Top w0.5: F2.2 164.57,105.31 165.56,106.3 SD2.2
Net-(STLED1-A): length 1
  Top w0.2: STLED1.2 126.55,106.03 R1.1
Net-(STLED2-A): length 1
  Top w0.2: 158.34,107.05 158.37,107.03 158.37,106.05
Net-(U3-USB_DM): length 4.1
  Top w0.2: 130.06,99.43 129.76,99.13 U3.46
Net-(U3-USB_DP): length 4.2
  Top w0.2: 128.96,99.43 129.36,99.03 U3.47
Net-(U3-XIN): length 11.7
  Top w0.2: Y1.3 126.81,82.2 124.36,82.2 123.96,82.6 123.96,84.1 125.16,85.3 126.06,85.3 127.76,87 U3.20
Net-(U3-XOUT): length 6
  Top w0.2: R6.2 131.06,84.7 130.36,85.4 129.96,85.4 128.16,87.2 U3.21
Net-(U7-USB_DM): length 4.2
  Top w0.2: 161.86,99.43 161.46,99.03 U7.46
Net-(U7-USB_DP): length 4.1
  Top w0.2: 160.76,99.43 161.06,99.13 161.06,98.8 U7.47
Net-(U7-XIN): length 11.3
  Top w0.2: Y2.3 158.51,82.2 155.86,82.2 155.66,82.4 155.66,83.53 159.46,87.33 U7.20
Net-(U7-XOUT): length 6.1
  Top w0.2: R15.2 162.86,84.8 162.28,85.38 161.52,85.38 159.86,87.03 U7.21

## Copper pours and planes (outline as drawn; the poured copper is in the pictures)
+1V1 on Top: 130.28,93.73 126.59,93.73 126.59,90.2 129.11,90.2 129.11,89.2 128.81,89.2 128.81,89.88 126.07,89.88 126.07,94.18 129.28,94.18 129.28,94.8 130.28,94.8
+1V2 on Top: 162.07,93.8 158.37,93.8 158.37,90.3 161.07,90.3 161.07,89.2 160.46,89.2 160.46,90 157.86,90 157.86,94.3 161.06,94.3 161.06,95 162.07,95
+3.3VA on Top: 162.97,89.2 157.16,89.2 157.16,95 162.97,95
+3V3 on Top: 131.19,89.2 125.56,89.2 125.56,94.8 131.16,94.78
GND on Top, Bottom: 142.46,65.5 142.36,61.8 141.56,55.1 139.86,46.7 137.66,40.3 135.66,35.7 121.76,12 107.56,20.1 47.16,20.1 47.16,31.7 46.06,33.9 43.86,34.9 0.06,34.9 0.06,112.2 0.36,112.9 1.16,113.5 5.16,114.9 15.36,116.6 26.16,117.6 41.46,118.3 57.96,118.6 142.46,118.7
GNDA on Top, Bottom: 146.03,65.47 146.13,61.77 146.93,55.07 148.63,46.67 150.83,40.27 152.83,35.67 166.73,11.97 180.93,20.07 241.33,20.07 241.33,31.67 242.43,33.87 244.63,34.87 288.43,34.87 288.43,112.17 288.13,112.87 287.33,113.47 283.33,114.87 273.13,116.57 262.33,117.57 247.03,118.27 230.43,118.57 146.13,118.47

## Text on the board
B.Silkscreen: SWC | GND | SWD | 240623 - Lily58 Pro v2 ver12 | COL0 | IO27 / IO28 | IO2 | IO3 | COL1 | COL2 | COL3 | COL4 | COL5 | ROW0 | ROW1 | ROW2 | ROW3 | ROW4
F.Silkscreen: BOOT | RESET | RP2040 | Lily58 Pro v2 PCB / 24-07-28
